# Altium PCB 键盘 - 副本 - 副本.PcbDoc (part 3 of 3)
Units mm, origin at the board's own origin, x right, y up, seen from the top; angles counter-clockwise.
Board outline 443.48 x 149.35 mm, 2 copper layers (Top Layer, Bottom Layer); 278 components, 285 nets, 1577 pads, 337 vias.
Unrouted connection lines stored in the file: 56.
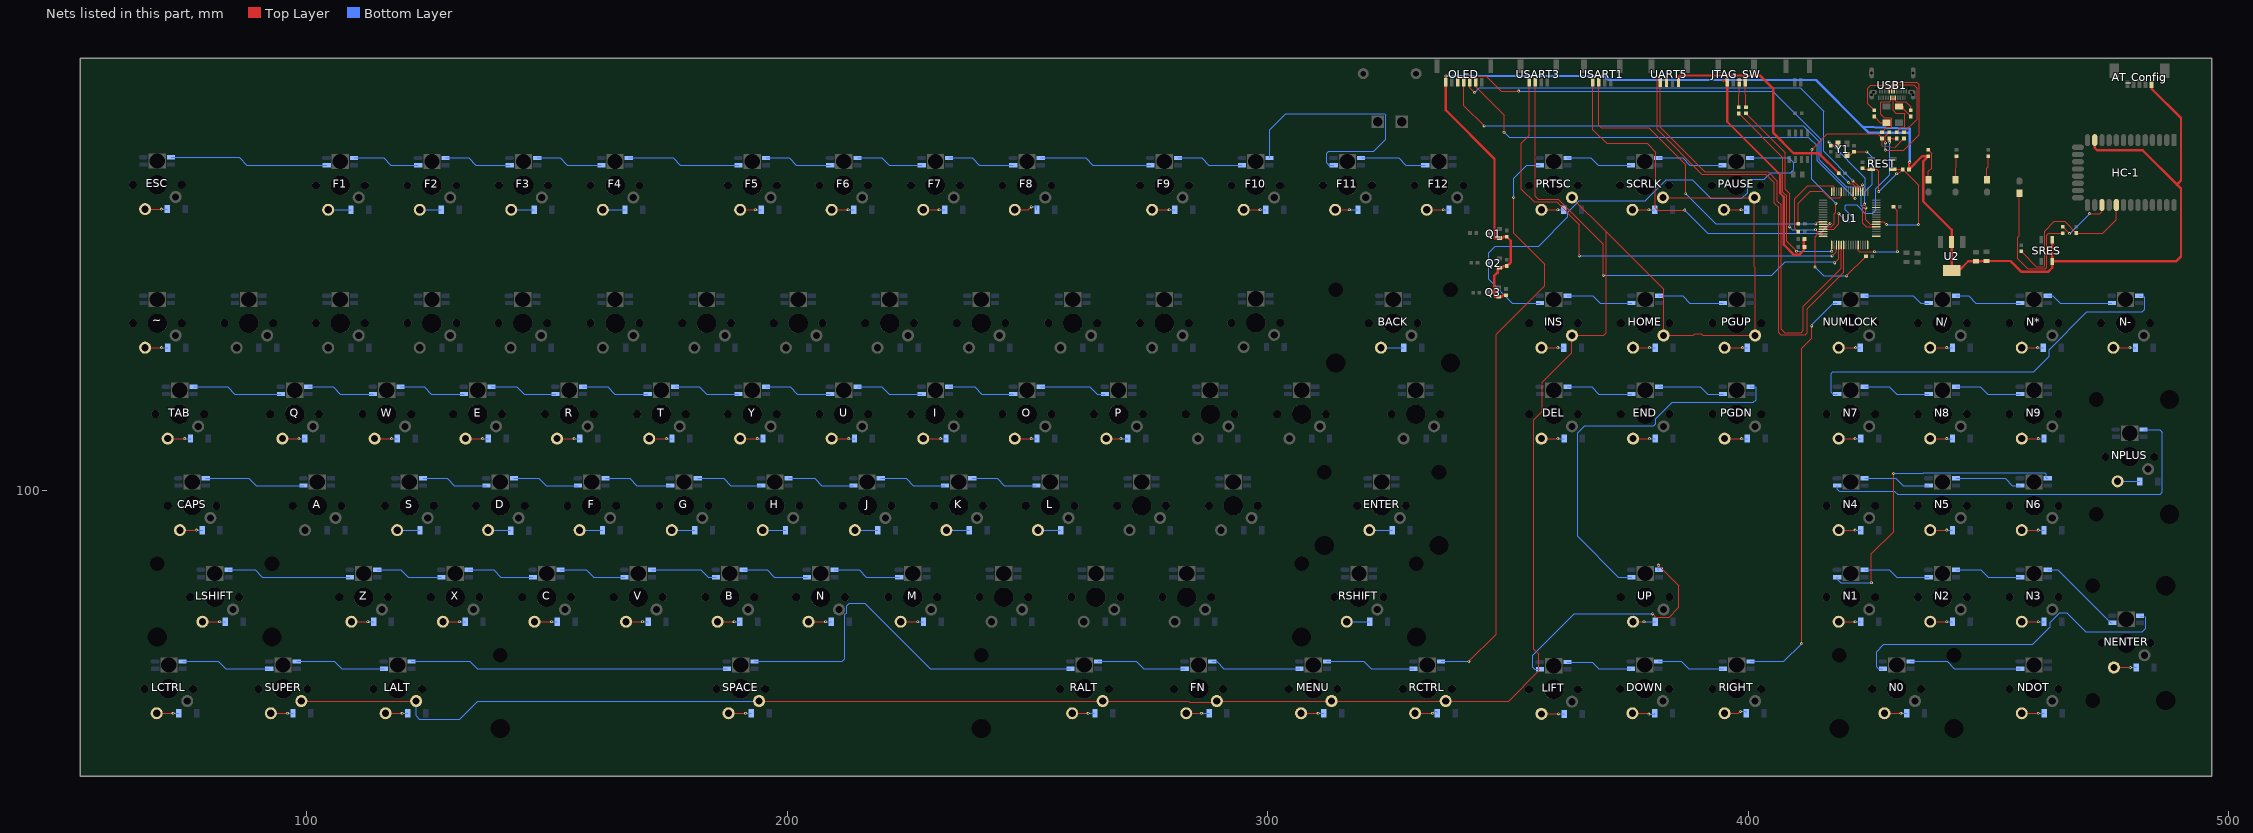
[diagram p3: the nets of this part, all layers, seen from the top]

## Via types
v1: diameter 0.61, hole 0.305, Top Layer to Bottom Layer, 337 vias

## Nets (pads, with @x,y where several pads share a name; then routed paths per layer and width w, separated by ;. In a path a pad name is that pad's centre, name@x,y a point inside that pad or via, vN(x,y) a via of type N, cw(c..) or ccw(c..) an arc to the next point about the centre after c; other vN are vias at no path point) (continued)
NetA_6: A.6 CAPS.4 | length 21
  Bottom Layer w0.254: CAPS.4@79.05,102.604 88.023,102.604 89.523,101.104 A.6@99.385,101.104
NetB_2: B.2 D63.1 | length 4.6
  Top Layer w0.254: B.2@185.547,72.771 v1(188.976,72.771)
  Bottom Layer w0.254: v1(188.976,72.771) D63.1@190.17,72.771
NetB_4: B.4 N.6 | length 13.8
  Bottom Layer w0.254: B.4@190.937,83.554 195.846,83.554 197.346,82.054 N.6@204.16,82.054
NetB_6: B.6 V.4 | length 14
  Bottom Layer w0.254: V.4@171.887,83.554 182.082,83.554 183.582,82.054 B.6@185.237,82.054
NetBACK_2: BACK.2 D30.1 | length 4.7
  Bottom Layer w0.254: BACK.2@323.596,129.794 D30.1@328.346,129.794
NetC2_1: C2.1 U1.47 | length 21.3
  Top Layer w0.254: v1(413.918,146.583) 413.918,152.858 414.528,153.468 U1.47@415.582,153.468 ; v1(420.442,144.755) C2.1@424.531,148.844
  Bottom Layer w0.254: v1(413.918,146.583) 415.747,144.755 v1(420.442,144.755)
NetC6_1: C6.1 U1.31 | length 17.5
  Top Layer w0.254: C6.1@410.449,153.924 409.727,154.645 409.727,160.833 412.394,163.5 417.576,163.5 417.882,163.194 U1.31@417.882,162.268
NetC_2: C.2 D61.1 | length 4.7
  Top Layer w0.254: C.2@147.447,72.771 v1(151.003,72.771)
  Bottom Layer w0.254: v1(151.003,72.771) D61.1@152.197,72.771
NetC_4: C.4 V.6 | length 14
  Bottom Layer w0.254: C.4@152.837,83.554 158.254,83.554 159.754,82.054 V.6@166.187,82.054
NetC_6: C.6 X.4 | length 14
  Bottom Layer w0.254: X.4@133.787,83.554 138.95,83.554 140.45,82.054 C.6@147.137,82.054
NetCAPS_2: CAPS.2 D45.1 | length 4.6
  Top Layer w0.254: CAPS.2@73.66,91.821 v1(77.089,91.821)
  Bottom Layer w0.254: v1(77.089,91.821) D45.1@78.283,91.821
NetD1_1: D1.1 R4.1 | length 6.8
  Top Layer w0.254: D1.1@437.515,164.719 437.515,166.472 438.226,167.183 438.226,170.246 R4.1@437.515,170.957
NetD2_1: D2.1 R5.1 | length 5
  Top Layer w0.254: D2.1@443.166,164.719 443.166,167.081 443.357,167.272 R5.1@443.357,169.657
NetD3_1: D3.1 R6.1 | length 5
  Top Layer w0.254: D3.1@449.707,164.719 449.707,167.183 449.961,167.437 R6.1@449.961,169.657
NetD4_1: D4.1 ESC.2 | length 4.6
  Top Layer w0.254: ESC.2@66.421,158.623 v1(69.85,158.623)
  Bottom Layer w0.254: v1(69.85,158.623) D4.1@71.044,158.623
NetD5_1: D5.1 F1.2 | length 4.7
  Bottom Layer w0.254: F1.2@104.521,158.496 D5.1@109.271,158.496
NetD6_1: D6.1 F2.2 | length 4.5
  Bottom Layer w0.254: F2.2@123.571,158.496 D6.1@128.067,158.496
NetD7_1: D7.1 F3.2 | length 4.7
  Bottom Layer w0.254: F3.2@142.621,158.496 D7.1@147.371,158.496
NetD8_1: D8.1 F4.2 | length 4.6
  Bottom Layer w0.254: F4.2@161.671,158.496 D8.1@166.294,158.496
NetD9_1: D9.1 F5.2 | length 4.4
  Top Layer w0.254: F5.2@190.246,158.496 v1(193.421,158.496)
  Bottom Layer w0.254: v1(193.421,158.496) D9.1@194.615,158.496
NetD10_1: D10.1 F6.2 | length 4.6
  Top Layer w0.254: F6.2@209.296,158.496 v1(212.725,158.496)
  Bottom Layer w0.254: v1(212.725,158.496) D10.1@213.919,158.496
NetD11_1: D11.1 F7.2 | length 4.5
  Top Layer w0.254: F7.2@228.346,158.496 v1(231.648,158.496)
  Bottom Layer w0.254: v1(231.648,158.496) D11.1@232.842,158.496
NetD12_1: D12.1 F8.2 | length 5.5
  Top Layer w0.254: F8.2@247.396,158.496 250.215,158.496 v1(250.825,159.106)
  Bottom Layer w0.254: v1(250.825,159.106) 252.019,159.106 D12.1@252.019,158.496
NetD13_1: D13.1 F9.2 | length 4.7
  Top Layer w0.254: F9.2@275.971,158.496 v1(279.527,158.496)
  Bottom Layer w0.254: v1(279.527,158.496) D13.1@280.721,158.496
NetD14_1: D14.1 F10.2 | length 4.6
  Top Layer w0.254: F10.2@295.021,158.496 v1(298.45,158.496)
  Bottom Layer w0.254: v1(298.45,158.496) D14.1@299.644,158.496
NetD15_1: D15.1 F11.2 | length 4.7
  Top Layer w0.254: F11.2@314.071,158.496 v1(317.017,158.496)
  Bottom Layer w0.254: v1(317.017,158.496) D15.1@318.821,158.496
NetD16_1: D16.1 F12.2 | length 4.6
  Top Layer w0.254: F12.2@333.121,158.496 v1(336.55,158.496)
  Bottom Layer w0.254: v1(336.55,158.496) D16.1@337.744,158.496
NetD17_1: D17.1 ~.2 | length 4.7
  Top Layer w0.254: ~.2@66.421,129.794 v1(69.85,129.794)
  Bottom Layer w0.254: v1(69.85,129.794) D17.1@71.171,129.794
NetD31_1: D31.1 TAB.2 | length 4.7
  Top Layer w0.254: TAB.2@71.12,110.871 v1(74.676,110.871)
  Bottom Layer w0.254: v1(74.676,110.871) D31.1@75.87,110.871
NetD32_1: D32.1 Q.2 | length 4.6
  Top Layer w0.254: Q.2@94.996,110.871 v1(98.425,110.871)
  Bottom Layer w0.254: v1(98.425,110.871) D32.1@99.619,110.871
NetD33_1: D33.1 W.2 | length 4.7
  Top Layer w0.254: W.2@114.173,110.871 v1(117.729,110.871)
  Bottom Layer w0.254: v1(117.729,110.871) D33.1@118.923,110.871
NetD34_1: D34.1 E.2 | length 4.7
  Top Layer w0.254: E.2@133.096,110.871 v1(136.652,110.871)
  Bottom Layer w0.254: v1(136.652,110.871) D34.1@137.846,110.871
NetD35_1: D35.1 R.2 | length 4.7
  Top Layer w0.254: R.2@152.146,110.871 v1(155.702,110.871)
  Bottom Layer w0.254: v1(155.702,110.871) D35.1@156.896,110.871
NetD36_1: D36.1 T.2 | length 4.7
  Top Layer w0.254: T.2@171.323,110.871 v1(174.879,110.871)
  Bottom Layer w0.254: v1(174.879,110.871) D36.1@176.073,110.871
NetD37_1: D37.1 Y.2 | length 4.7
  Top Layer w0.254: Y.2@190.246,110.871 v1(193.802,110.871)
  Bottom Layer w0.254: v1(193.802,110.871) D37.1@194.996,110.871
NetD38_1: D38.1 U.2 | length 4.7
  Top Layer w0.254: U.2@209.296,110.871 v1(212.852,110.871)
  Bottom Layer w0.254: v1(212.852,110.871) D38.1@214.046,110.871
NetD39_1: D39.1 I.2 | length 4.7
  Top Layer w0.254: I.2@228.346,110.871 v1(231.902,110.871)
  Bottom Layer w0.254: v1(231.902,110.871) D39.1@233.096,110.871
NetD40_1: D40.1 O.2 | length 4.6
  Top Layer w0.254: O.2@247.396,110.871 v1(250.825,110.871)
  Bottom Layer w0.254: v1(250.825,110.871) D40.1@252.019,110.871
NetD41_1: D41.1 P.2 | length 4.5
  Top Layer w0.254: P.2@266.446,110.871 v1(269.494,110.871)
  Bottom Layer w0.254: v1(269.494,110.871) D41.1@270.942,110.871
NetD47_1: D47.1 S.2 | length 4.7
  Bottom Layer w0.254: S.2@118.872,91.821 D47.1@123.622,91.821
NetD48_1: D48.1 D.2 | length 4.9
  Bottom Layer w0.254: D.2@137.795,91.821 142.545,91.821 D48.1@142.545,91.694
NetD49_1: D49.1 F.2 | length 4.7
  Bottom Layer w0.254: F.2@156.845,91.821 D49.1@161.595,91.821
NetD50_1: D50.1 G.2 | length 4.7
  Bottom Layer w0.254: G.2@176.022,91.821 D50.1@180.772,91.821
NetD51_1: D51.1 H.2 | length 4.7
  Bottom Layer w0.254: H.2@194.945,91.821 D51.1@199.695,91.821
NetD52_1: D52.1 J.2 | length 4.7
  Bottom Layer w0.254: J.2@214.122,91.821 D52.1@218.872,91.821
NetD53_1: D53.1 K.2 | length 4.7
  Bottom Layer w0.254: K.2@233.172,91.821 D53.1@237.922,91.821
NetD54_1: D54.1 L.2 | length 4.7
  Bottom Layer w0.254: L.2@252.222,91.821 D54.1@256.972,91.821
NetD57_1: D57.1 ENTER.2 | length 4.7
  Bottom Layer w0.254: ENTER.2@321.183,91.821 D57.1@325.933,91.821
NetD58_1: D58.1 LSHIFT.2 | length 4.7
  Top Layer w0.254: LSHIFT.2@78.359,72.771 v1(81.915,72.771)
  Bottom Layer w0.254: v1(81.915,72.771) D58.1@83.109,72.771
NetD59_1: D59.1 Z.2 | length 4.6
  Top Layer w0.254: Z.2@109.347,72.771 v1(112.776,72.771)
  Bottom Layer w0.254: v1(112.776,72.771) D59.1@113.97,72.771
NetD60_1: D60.1 X.2 | length 4.6
  Top Layer w0.254: X.2@128.397,72.771 v1(131.826,72.771)
  Bottom Layer w0.254: v1(131.826,72.771) D60.1@133.02,72.771
NetD62_1: D62.1 V.2 | length 4.6
  Top Layer w0.254: V.2@166.497,72.771 v1(169.926,72.771)
  Bottom Layer w0.254: v1(169.926,72.771) D62.1@171.12,72.771
NetD64_1: D64.1 N.2 | length 4.7
  Top Layer w0.254: N.2@204.47,72.771 v1(208.026,72.771)
  Bottom Layer w0.254: v1(208.026,72.771) D64.1@209.22,72.771
NetD65_1: D65.1 M.2 | length 4.7
  Top Layer w0.254: M.2@223.647,72.771 v1(227.203,72.771)
  Bottom Layer w0.254: v1(227.203,72.771) D65.1@228.397,72.771
NetD69_1: D69.1 RSHIFT.2 | length 4.7
  Bottom Layer w0.254: RSHIFT.2@316.484,72.771 D69.1@321.234,72.771
NetD70_1: D70.1 LCTRL.2 | length 4.6
  Top Layer w0.254: LCTRL.2@68.834,53.721 v1(72.263,53.721)
  Bottom Layer w0.254: v1(72.263,53.721) D70.1@73.457,53.721
NetD71_1: D71.1 SUPER.2 | length 4.6
  Top Layer w0.254: SUPER.2@92.583,53.721 v1(96.012,53.721)
  Bottom Layer w0.254: v1(96.012,53.721) D71.1@97.206,53.721
NetD72_1: D72.1 LALT.2 | length 4.6
  Top Layer w0.254: LALT.2@116.459,53.721 v1(119.888,53.721)
  Bottom Layer w0.254: v1(119.888,53.721) D72.1@121.082,53.721
NetD73_1: D73.1 SPACE.2 | length 4.7
  Top Layer w0.254: SPACE.2@187.833,53.721 v1(191.389,53.721)
  Bottom Layer w0.254: v1(191.389,53.721) D73.1@192.583,53.721
NetD74_1: D74.1 RALT.2 | length 4.7
  Top Layer w0.254: RALT.2@259.334,53.721 v1(262.636,53.721)
  Bottom Layer w0.254: v1(262.636,53.721) D74.1@264.084,53.721
NetD75_1: D75.1 FN.2 | length 4.7
  Top Layer w0.254: FN.2@283.083,53.721 v1(286.233,53.721)
  Bottom Layer w0.254: v1(286.233,53.721) D75.1@287.833,53.721
NetD76_1: D76.1 MENU.2 | length 4.7
  Top Layer w0.254: MENU.2@306.959,53.721 v1(310.515,53.721)
  Bottom Layer w0.254: v1(310.515,53.721) D76.1@311.709,53.721
NetD77_1: D77.1 RCTRL.2 | length 5.2
  Top Layer w0.254: RCTRL.2@330.708,53.721 v1(334.34,53.721)
  Bottom Layer w0.254: v1(334.34,53.721) 334.747,54.127 335.331,54.127 D77.1@335.331,53.721
NetD78_1: D78.1 PRTSC.2 | length 4.6
  Top Layer w0.254: PRTSC.2@356.997,158.496 v1(360.426,158.496)
  Bottom Layer w0.254: v1(360.426,158.496) D78.1@361.62,158.496
NetD79_1: D79.1 SCRLK.2 | length 4.6
  Top Layer w0.254: SCRLK.2@375.92,158.496 v1(379.349,158.496)
  Bottom Layer w0.254: v1(379.349,158.496) D79.1@380.543,158.496
NetD80_1: D80.1 PAUSE.2 | length 4.7
  Top Layer w0.254: PAUSE.2@394.97,158.496 v1(398.526,158.496)
  Bottom Layer w0.254: v1(398.526,158.496) D80.1@399.72,158.496
NetD81_1: D81.1 INS.2 | length 4.6
  Top Layer w0.254: INS.2@356.997,129.794 v1(360.426,129.794)
  Bottom Layer w0.254: v1(360.426,129.794) D81.1@361.62,129.794
NetD82_1: D82.1 HOME.2 | length 4.6
  Top Layer w0.254: HOME.2@376.047,129.794 v1(379.476,129.794)
  Bottom Layer w0.254: v1(379.476,129.794) D82.1@380.67,129.794
NetD83_1: D83.1 PGUP.2 | length 4.7
  Top Layer w0.254: PGUP.2@395.097,129.794 v1(398.856,129.794)
  Bottom Layer w0.254: v1(398.856,129.794) D83.1@399.847,129.794
NetD84_1: D84.1 DEL.2 | length 4.7
  Top Layer w0.254: DEL.2@356.997,110.871 v1(360.426,110.871)
  Bottom Layer w0.254: v1(360.426,110.871) D84.1@361.747,110.871
NetD85_1: D85.1 END.2 | length 4.6
  Top Layer w0.254: END.2@376.047,110.871 v1(379.476,110.871)
  Bottom Layer w0.254: v1(379.476,110.871) D85.1@380.67,110.871
NetD86_1: D86.1 PGDN.2 | length 4.7
  Top Layer w0.254: PGDN.2@395.097,110.871 v1(398.653,110.871)
  Bottom Layer w0.254: v1(398.653,110.871) D86.1@399.847,110.871
NetD87_1: D87.1 UP.2 | length 4.6
  Top Layer w0.254: UP.2@376.047,72.771 v1(378.333,72.771)
  Bottom Layer w0.254: v1(378.333,72.771) D87.1@380.67,72.771
NetD88_1: D88.1 LIFT.2 | length 4.7
  Top Layer w0.254: LIFT.2@356.997,53.594 v1(360.553,53.594)
  Bottom Layer w0.254: v1(360.553,53.594) D88.1@361.747,53.594
NetD89_1: D89.1 DOWN.2 | length 4.9
  Top Layer w0.254: DOWN.2@375.92,53.721 379.177,53.721 v1(379.349,53.549)
  Bottom Layer w0.254: v1(379.349,53.549) 380.543,53.549 D89.1@380.543,53.721
NetD90_1: D90.1 RIGHT.2 | length 5.1
  Top Layer w0.254: RIGHT.2@395.097,53.721 397.993,53.721 v1(398.399,54.127)
  Bottom Layer w0.254: v1(398.399,54.127) 399.593,54.127 D90.1@399.593,53.721
NetD91_1: D91.1 NUMLOCK.2 | length 4.5
  Top Layer w0.254: NUMLOCK.2@418.846,129.794 v1(422.351,129.794)
  Bottom Layer w0.254: v1(422.351,129.794) D91.1@423.342,129.794
NetD92_1: D92.1 N/.2 | length 4.6
  Top Layer w0.254: N/.2@437.896,129.794 v1(441.325,129.794)
  Bottom Layer w0.254: v1(441.325,129.794) D92.1@442.519,129.794
NetD93_1: D93.1 N*.2 | length 4.5
  Top Layer w0.254: N*.2@456.946,129.794 v1(460.248,129.794)
  Bottom Layer w0.254: v1(460.248,129.794) D93.1@461.442,129.794
NetD94_1: D94.1 N-.2 | length 4.6
  Top Layer w0.254: N-.2@475.996,129.794 v1(479.425,129.794)
  Bottom Layer w0.254: v1(479.425,129.794) D94.1@480.619,129.794
NetD95_1: D95.1 N7.2 | length 4.6
  Top Layer w0.254: N7.2@418.846,110.871 v1(422.275,110.871)
  Bottom Layer w0.254: v1(422.275,110.871) D95.1@423.469,110.871
NetD96_1: D96.1 N8.2 | length 4.6
  Top Layer w0.254: N8.2@437.896,110.871 v1(441.325,110.871)
  Bottom Layer w0.254: v1(441.325,110.871) D96.1@442.519,110.871
NetD97_1: D97.1 N9.2 | length 4.6
  Top Layer w0.254: N9.2@456.946,110.871 v1(460.375,110.871)
  Bottom Layer w0.254: v1(460.375,110.871) D97.1@461.569,110.871
NetD98_1: D98.1 N0.2 | length 4.6
  Top Layer w0.254: N0.2@428.371,53.721 v1(431.8,53.721)
  Bottom Layer w0.254: v1(431.8,53.721) D98.1@432.994,53.721
NetD99_1: D99.1 NPLUS.2 | length 4.6
  Bottom Layer w0.254: NPLUS.2@476.885,101.981 D99.1@481.508,101.981
NetD100_1: D100.1 N4.2 | length 4.6
  Top Layer w0.254: N4.2@418.846,91.821 v1(422.275,91.821)
  Bottom Layer w0.254: v1(422.275,91.821) D100.1@423.469,91.821
NetD101_1: D101.1 N5.2 | length 4.6
  Top Layer w0.254: N5.2@437.896,91.821 v1(441.325,91.821)
  Bottom Layer w0.254: v1(441.325,91.821) D101.1@442.519,91.821
NetD102_1: D102.1 N6.2 | length 4.6
  Top Layer w0.254: N6.2@456.946,91.821 v1(460.375,91.821)
  Bottom Layer w0.254: v1(460.375,91.821) D102.1@461.569,91.821
NetD103_1: D103.1 N1.2 | length 4.6
  Top Layer w0.254: N1.2@418.846,72.771 v1(422.275,72.771)
  Bottom Layer w0.254: v1(422.275,72.771) D103.1@423.469,72.771
NetD104_1: D104.1 N2.2 | length 4.6
  Top Layer w0.254: N2.2@437.896,72.771 v1(441.325,72.771)
  Bottom Layer w0.254: v1(441.325,72.771) D104.1@442.519,72.771
NetD105_1: D105.1 N3.2 | length 4.6
  Top Layer w0.254: N3.2@456.946,72.771 v1(460.375,72.771)
  Bottom Layer w0.254: v1(460.375,72.771) D105.1@461.569,72.771
NetD106_1: D106.1 NENTER.2 | length 4.6
  Top Layer w0.254: NENTER.2@476.123,63.246 v1(479.552,63.246)
  Bottom Layer w0.254: v1(479.552,63.246) D106.1@480.746,63.246
NetD107_1: D107.1 NDOT.2 | length 4.7
  Top Layer w0.254: NDOT.2@456.946,53.721 v1(460.375,53.721)
  Bottom Layer w0.254: v1(460.375,53.721) D107.1@461.645,53.721
NetD_4: D.4 F.6 | length 14
  Bottom Layer w0.254: D.4@143.185,102.604 148.348,102.604 149.848,101.104 F.6@156.535,101.104
NetD_6: D.6 S.4 | length 13.8
  Bottom Layer w0.254: S.4@124.262,102.604 129.298,102.604 130.798,101.104 D.6@137.485,101.104
NetDEL_4: DEL.4 END.6 | length 14
  Bottom Layer w0.254: DEL.4@362.387,121.654 367.423,121.654 368.923,120.154 END.6@375.737,120.154
NetDOWN_4: DOWN.4 RIGHT.6 | length 14.1
  Bottom Layer w0.254: DOWN.4@381.31,64.504 386.092,64.504 387.592,63.004 RIGHT.6@394.787,63.004
NetDOWN_6: DOWN.6 LIFT.4 | length 13.8
  Bottom Layer w0.254: LIFT.4@362.387,64.377 367.55,64.377 368.923,63.004 DOWN.6@375.61,63.004
NetDR_1: DR.1 R16.2 | length 31
  Top Layer w0.254: DR.1@456.438,161.925 456.438,153.06 456.108,152.73 456.108,148.332 458.234,146.206 461.874,146.206 462.159,146.491 462.159,153.213 462.586,153.64 R16.2@465.455,153.64
NetE_4: E.4 R.6 | length 14
  Bottom Layer w0.254: E.4@138.486,121.654 143.776,121.654 145.276,120.154 R.6@151.836,120.154
NetE_6: E.6 W.4 | length 13.8
  Bottom Layer w0.254: W.4@119.563,121.654 124.472,121.654 125.972,120.154 E.6@132.786,120.154
NetEND_4: END.4 PGDN.6 | length 14
  Bottom Layer w0.254: END.4@381.437,121.654 390.066,121.654 391.566,120.154 PGDN.6@394.787,120.154
NetESC_4: ESC.4 F1.6 | length 33.1
  Bottom Layer w0.254: ESC.4@71.811,169.406 85.991,169.406 87.618,167.779 F1.6@104.211,167.779
NetF1_4: F1.4 F2.6 | length 14
  Bottom Layer w0.254: F1.4@109.911,169.279 116.09,169.279 117.59,167.779 F2.6@123.261,167.779
NetF2_4: F2.4 F3.6 | length 14
  Bottom Layer w0.254: F2.4@128.961,169.279 133.743,169.279 135.243,167.779 F3.6@142.311,167.779
NetF3_4: F3.4 F4.6 | length 14
  Bottom Layer w0.254: F3.4@148.011,169.279 152.793,169.279 154.293,167.779 F4.6@161.361,167.779
NetF4_4: F4.4 F5.6 | length 23.5
  Bottom Layer w0.254: F4.4@167.061,169.279 176.288,169.279 177.788,167.779 F5.6@189.936,167.779
NetF5_4: F5.4 F6.6 | length 14
  Bottom Layer w0.254: F5.4@195.636,169.279 200.418,169.279 201.918,167.779 F6.6@208.986,167.779
NetF6_4: F6.4 F7.6 | length 14
  Bottom Layer w0.254: F6.4@214.686,169.279 219.722,169.279 221.222,167.779 F7.6@228.036,167.779
NetF7_4: F7.4 F8.6 | length 14
  Bottom Layer w0.254: F7.4@233.736,169.279 238.518,169.279 240.018,167.779 F8.6@247.086,167.779
NetF8_4: F8.4 F9.6 | length 23.5
  Bottom Layer w0.254: F8.4@252.786,169.279 262.14,169.279 263.64,167.779 F9.6@275.661,167.779
NetF9_4: F9.4 F10.6 | length 14
  Bottom Layer w0.254: F9.4@281.361,169.279 286.27,169.279 287.77,167.779 F10.6@294.711,167.779
NetF10_4: F10.4 F11.6 | length 53.8
  Bottom Layer w0.254: F10.4@300.411,169.279 300.406,169.279 300.406,175.158 303.733,178.486 324.307,178.486 324.561,178.232 324.561,173.126 322.123,170.688 312.699,170.688 312.293,170.282 312.293,168.25 312.764,167.779 F11.6@313.761,167.779
NetF11_4: F11.4 F12.6 | length 14
  Bottom Layer w0.254: F11.4@319.461,169.279 327.278,169.279 328.778,167.779 F12.6@332.811,167.779
NetF_4: F.4 G.6 | length 14.1
  Bottom Layer w0.254: F.4@162.235,102.604 167.271,102.604 168.771,101.104 G.6@175.712,101.104
NetFN_1: FN.1 HOME.1 INS.1 LALT.1 MENU.1 PAUSE.1 PGUP.1 PRTSC.1 RALT.1 RCTRL.1 SCRLK.1 SPACE.1 SUPER.1 | length 470.9
  Top Layer w0.254: SUPER.1@98.933,56.261 LALT.1@122.809,56.261 ; SPACE.1@194.183,56.261 RALT.1@265.684,56.261 283.565,56.261 283.838,55.988 289.16,55.988 FN.1@289.433,56.261 MENU.1@313.309,56.261 RCTRL.1@337.058,56.261 350.19,56.261 356.461,62.532 356.461,65.964 355.397,67.028 355.397,114.783 357.175,116.561 357.175,122.606 363.347,128.778 INS.1@363.347,132.334 369.951,132.334 370.51,132.893 370.51,153.873 ; PRTSC.1@363.347,161.036 370.51,153.873 ; SCRLK.1@382.27,161.036 PAUSE.1@401.32,161.036 401.32,146.685 401.447,146.558 PGUP.1@401.447,132.334 390.599,132.334 390.222,132.711 389.001,132.711 388.624,132.334 HOME.1@382.397,132.334 382.397,141.986 370.51,153.873
  Bottom Layer w0.254: LALT.1@122.809,56.261 122.809,53.238 123.52,52.527 131.902,52.527 135.636,56.261 SPACE.1@194.183,56.261
NetFN_4: FN.4 MENU.6 | length 18.8
  Bottom Layer w0.254: FN.4@288.473,64.504 289.408,64.504 290.908,63.004 MENU.6@306.649,63.004
NetFN_6: FN.6 RALT.4 | length 18.7
  Bottom Layer w0.254: RALT.4@264.724,64.504 272.706,64.504 274.206,63.004 FN.6@282.773,63.004
NetFUSB2_1: FUSB2.1 R22.2 | length 3.7
  Top Layer w0.254: FUSB2.1@431.419,180.022 432.359,180.022 432.359,179.385 R22.2@433.832,177.912
NetFUSB_2: FUSB.2 R21.1 | length 3.1
  Top Layer w0.254: R21.1@426.212,177.912 427.531,176.594 FUSB.2@428.752,176.594
NetG_4: G.4 H.6 | length 13.8
  Bottom Layer w0.254: G.4@181.412,102.604 186.829,102.604 188.329,101.104 H.6@194.635,101.104
NetH_4: H.4 J.6 | length 14.1
  Bottom Layer w0.254: H.4@200.335,102.604 205.752,102.604 207.252,101.104 J.6@213.812,101.104
NetHC-1_24: HC-1.24 R16.1 | length 12.1
  Top Layer w0.254: R16.1@465.455,154.94 v1(466.877,153.518) ; v1(471.043,157.683) 473.216,157.683 473.622,158.09 HC-1.24@473.622,159.493
  Bottom Layer w0.254: v1(466.877,153.518) v1(471.043,157.683)
NetHC-1_26: HC-1.26 R14.1 R15.1 | length 34.4
  Top Layer w0.254: R15.1@456.819,149.845 460.004,146.66 461.569,146.66 461.705,146.796 461.705,154.026 463.737,156.058 465.846,156.058 R14.1@468.249,153.655 473.813,153.655 476.622,156.464 HC-1.26@476.622,159.493
NetHOME_4: HOME.4 PGUP.6 | length 14
  Bottom Layer w0.254: HOME.4@381.437,140.577 386.346,140.577 387.846,139.077 PGUP.6@394.787,139.077
NetHOME_6: HOME.6 INS.4 | length 14
  Bottom Layer w0.254: INS.4@362.387,140.577 367.677,140.577 369.177,139.077 HOME.6@375.737,139.077
NetI_4: I.4 O.6 | length 14
  Bottom Layer w0.254: I.4@233.736,121.654 239.026,121.654 240.526,120.154 O.6@247.086,120.154
NetI_6: I.6 U.4 | length 14
  Bottom Layer w0.254: U.4@214.686,121.654 219.722,121.654 221.222,120.154 I.6@228.036,120.154
NetINS_6: INS.6 PAUSE.4 | length 104.9
  Bottom Layer w0.254: INS.6@356.687,139.077 350.94,139.077 346.027,143.99 346.027,149.53 347.421,150.924 356.384,150.924 362.509,157.048 362.509,157.968 364.866,160.325 378.545,160.325 382.99,164.77 388.341,164.77 392.252,160.858 398.653,160.858 399.872,162.077 399.872,164.465 400.304,164.897 403.352,164.897 404.698,166.243 408.838,166.243 409.448,166.853 409.448,168.25 408.419,169.279 PAUSE.4@400.36,169.279
NetJ_4: J.4 K.6 | length 14
  Bottom Layer w0.254: J.4@219.512,102.604 224.802,102.604 226.302,101.104 K.6@232.862,101.104
NetJTAG_SW_1: JTAG_SW.1 R7.1 | length 5.3
  Top Layer w0.254: JTAG_SW.1@399.395,185.039 399.395,182.494 399.542,182.347 R7.1@399.542,179.847
NetJTAG_SW_2: JTAG_SW.2 R10.1 | length 5.3
  Top Layer w0.254: R10.1@398.018,179.832 398.018,182.321 398.145,182.448 JTAG_SW.2@398.145,185.039
NetK_4: K.4 L.6 | length 14
  Bottom Layer w0.254: K.4@238.562,102.604 243.725,102.604 245.225,101.104 L.6@251.912,101.104
NetLALT_4: LALT.4 SPACE.6 | length 66.3
  Bottom Layer w0.254: LALT.4@121.849,64.504 133.997,64.504 135.497,63.004 SPACE.6@187.523,63.004
NetLALT_6: LALT.6 SUPER.4 | length 18.8
  Bottom Layer w0.254: SUPER.4@97.973,64.504 105.803,64.504 107.303,63.004 LALT.6@116.149,63.004
NetLCTRL_4: LCTRL.4 SUPER.6 | length 18.7
  Bottom Layer w0.254: LCTRL.4@74.224,64.504 81.673,64.504 83.173,63.004 SUPER.6@92.273,63.004
NetLIFT_6: LIFT.6 UP.4 | length 50.9
  Top Layer w0.254: v1(380.136,74.397) 380.822,73.711 383.565,73.711 385.597,75.743 385.597,80.264 v1(381.33,84.531)
  Bottom Layer w0.254: LIFT.6@356.687,62.877 355.6,62.877 355.194,63.283 355.194,65.761 363.83,74.397 v1(380.136,74.397) ; v1(381.33,84.531) 381.33,83.554 UP.4@381.437,83.554
NetLSHIFT_4: LSHIFT.4 Z.6 | length 25.9
  Bottom Layer w0.254: LSHIFT.4@83.749,83.554 89.293,83.554 90.793,82.054 Z.6@109.037,82.054
NetM_6: M.6 N.4 | length 14.1
  Bottom Layer w0.254: N.4@209.86,83.554 215.023,83.554 216.523,82.054 M.6@223.337,82.054
NetMENU_4: MENU.4 RCTRL.6 | length 18.7
  Bottom Layer w0.254: MENU.4@312.349,64.504 320.052,64.504 321.552,63.004 RCTRL.6@330.398,63.004
NetN0_4: N0.4 NDOT.6 | length 23.5
  Bottom Layer w0.254: N0.4@433.761,64.504 441.437,64.504 442.937,63.004 NDOT.6@456.636,63.004
NetN0_6: N0.6 NENTER.4 | length 70
  Bottom Layer w0.254: N0.6@428.061,63.004 427.126,63.004 426.745,63.385 426.745,66.548 428.269,68.072 459.257,68.072 462.89,71.704 462.89,72.674 464.891,74.676 466.319,74.676 470.306,70.688 481.968,70.688 482.702,71.422 482.702,73.762 NENTER.4@481.513,74.029
NetN1_4: N1.4 N2.6 | length 14
  Bottom Layer w0.254: N1.4@424.236,83.554 429.399,83.554 430.899,82.054 N2.6@437.586,82.054
NetN1_6: N1.6 N6.4 | length 65.7
  Top Layer w0.254: v1(425.628,80.874) 425.628,86.893 430.276,91.542 v1(430.276,103.632)
  Bottom Layer w0.254: N1.6@418.536,82.054 418.536,81.59 419.252,80.874 v1(425.628,80.874) ; v1(430.276,103.632) 436.426,103.632 436.575,103.781 461.775,103.781 462.051,103.505 462.051,102.604 N6.4@462.336,102.604
NetN2_4: N2.4 N3.6 | length 14
  Bottom Layer w0.254: N2.4@443.286,83.554 448.449,83.554 449.949,82.054 N3.6@456.636,82.054
NetN3_4: N3.4 NENTER.6 | length 18
  Bottom Layer w0.254: N3.4@462.336,83.554 464.388,83.554 475.413,72.529 NENTER.6@475.813,72.529
NetN4_4: N4.4 N5.6 | length 14
  Bottom Layer w0.254: N4.4@424.236,102.604 430.771,102.604 432.271,101.104 N5.6@437.586,101.104
NetN4_6: N4.6 NPLUS.4 | length 85.7
  Bottom Layer w0.254: N4.6@418.536,101.104 418.516,101.104 418.516,100.381 418.973,99.924 430.428,99.924 431.092,99.26 485.734,99.26 486.188,99.714 486.188,112.224 485.648,112.764 NPLUS.4@482.275,112.764
NetN5_4: N5.4 N6.6 | length 14
  Bottom Layer w0.254: N5.4@443.286,102.604 453.481,102.604 454.981,101.104 N6.6@456.636,101.104
NetN7_4: N7.4 N8.6 | length 14
  Bottom Layer w0.254: N7.4@424.236,121.654 429.399,121.654 430.899,120.154 N8.6@437.586,120.154
NetN7_6: N7.6 N-.4 | length 80.8
  Bottom Layer w0.254: N7.6@418.536,120.154 417.576,120.154 417.246,120.484 417.246,124.358 417.652,124.765 459.435,124.765 462.686,128.016 462.686,129.413 470.51,137.236 482.041,137.236 482.575,137.77 482.575,140.411 N-.4@481.386,140.577
NetN8_4: N8.4 N9.6 | length 14
  Bottom Layer w0.254: N8.4@443.286,121.654 448.322,121.654 449.822,120.154 N9.6@456.636,120.154
NetN*_4: N*.4 N-.6 | length 14
  Bottom Layer w0.254: N*.4@462.336,140.577 463.435,140.577 464.935,139.077 N-.6@475.686,139.077
NetN*_6: N*.6 N/.4 | length 14
  Bottom Layer w0.254: N/.4@443.286,140.577 445.909,140.577 447.409,139.077 N*.6@456.636,139.077
NetN/_6: N/.6 NUMLOCK.4 | length 14
  Bottom Layer w0.254: NUMLOCK.4@424.236,140.577 434.389,140.577 435.889,139.077 N/.6@437.586,139.077
NetNUMLOCK_6: NUMLOCK.6 RIGHT.4 | length 86.6
  Top Layer w0.254: v1(411.124,68.212) 411.124,129.642 413.232,131.75 v1(413.232,134.315)
  Bottom Layer w0.254: RIGHT.4@400.487,64.504 407.416,64.504 v1(411.124,68.212) ; v1(413.232,134.315) 413.232,134.594 417.715,139.077 NUMLOCK.6@418.536,139.077
NetO_4: O.4 P.6 | length 14
  Bottom Layer w0.254: O.4@252.786,121.654 263.005,121.654 264.505,120.154 P.6@266.136,120.154
NetPAUSE_6: PAUSE.6 SCRLK.4 | length 14
  Bottom Layer w0.254: SCRLK.4@381.31,169.279 386.346,169.279 387.846,167.779 PAUSE.6@394.66,167.779
NetPGDN_4: PGDN.4 UP.6 | length 80.6
  Bottom Layer w0.254: UP.6@375.737,82.054 373.024,82.054 364.566,90.512 364.566,112.065 366.039,113.538 380.39,113.538 380.822,113.97 380.822,114.986 384.226,118.389 401.117,118.389 401.732,119.005 401.732,121.445 401.523,121.654 PGDN.4@400.487,121.654
NetPRTSC_4: PRTSC.4 SCRLK.6 | length 13.8
  Bottom Layer w0.254: PRTSC.4@362.387,169.279 367.296,169.279 368.796,167.779 SCRLK.6@375.61,167.779
NetPRTSC_6: PRTSC.6 RCTRL.4 | length 122.2
  Top Layer w0.254: v1(341.909,64.504) 347.599,70.194 347.599,132.613 357.683,142.697 357.683,147.117 351.18,153.619 v1(351.18,161.061)
  Bottom Layer w0.254: RCTRL.4@336.098,64.504 v1(341.909,64.504) ; v1(351.18,161.061) 351.18,165.049 353.91,167.779 PRTSC.6@356.687,167.779
NetQ_4: Q.4 W.6 | length 14.1
  Bottom Layer w0.254: Q.4@100.386,121.654 105.549,121.654 107.049,120.154 W.6@113.863,120.154
NetQ_6: Q.6 TAB.4 | length 18.8
  Bottom Layer w0.254: TAB.4@76.51,121.654 83.578,121.654 85.078,120.154 Q.6@94.686,120.154
NetR1_1: R1.1 U1.60 | length 19.2
  Top Layer w0.254: U1.60@422.882,151.168 422.882,149.962 423.085,149.758 v1(426.314,149.758) ; R1.1@430.261,159.131 431.051,158.341 v1(431.051,149.758)
  Bottom Layer w0.254: v1(426.314,149.758) v1(431.051,149.758)
NetR3_1: R3.1 U1.28 | length 15.9
  Top Layer w0.254: R3.1@410.449,155.575 410.449,159.903 412.902,162.357 415.569,162.357 416.89,161.036 419.077,161.036 419.382,161.341 U1.28@419.382,162.268
NetR21_2: R21.2 USB1.B5 | length 10.9
  Top Layer w0.254: R21.2@426.212,179.212 424.866,180.558 424.866,183.794 425.501,184.429 428.752,184.429 429.397,183.784 USB1.B5@429.397,183.116
NetR22_1: R22.1 USB1.A5 | length 5.1
  Top Layer w0.254: USB1.A5@430.647,181.816 430.647,181.137 430.784,181 432.816,181 433.832,179.985 R22.1@433.832,179.212
NetR_4: R.4 T.6 | length 14.1
  Bottom Layer w0.254: R.4@157.536,121.654 162.699,121.654 164.199,120.154 T.6@171.013,120.154
NetRALT_6: RALT.6 SPACE.4 | length 82.7
  Bottom Layer w0.254: SPACE.4@193.223,64.504 211.519,64.504 212.039,65.024 212.039,74.3 212.397,74.658 212.397,76.075 212.954,76.632 216.205,76.632 229.833,63.004 RALT.6@259.024,63.004
NetT_4: T.4 Y.6 | length 13.8
  Bottom Layer w0.254: T.4@176.713,121.654 181.749,121.654 183.249,120.154 Y.6@189.936,120.154
NetU_6: U.6 Y.4 | length 14
  Bottom Layer w0.254: Y.4@195.636,121.654 200.672,121.654 202.172,120.154 U.6@208.986,120.154
NetX_6: X.6 Z.4 | length 14
  Bottom Layer w0.254: Z.4@114.737,83.554 119.646,83.554 121.146,82.054 X.6@128.087,82.054
NRST: C8.1 R2.2 REST.1 U1.7 | length 38.6
  Top Layer w0.254: C8.1@423.799,167.117 424.02,166.896 REST.1@425.613,166.896 426.72,166.896 427.177,166.439 v1(427.177,162.281) ; U1.7@426.682,155.968 428.232,155.968 v1(428.777,155.423) ; REST.1@430.113,166.896 431.234,166.896 431.251,166.878 R2.2@432.166,166.878 ; v1(430.886,165.989) 431.277,165.989 R2.2@432.166,166.878 ; v1(435.458,155.423) 435.458,163.587 R2.2@432.166,166.878
  Bottom Layer w0.254: v1(427.177,162.281) v1(430.886,165.989) ; v1(428.777,155.423) v1(435.458,155.423)
OLED_CLK(PA5): OLED.3 U1.21 | length 97.3
  Top Layer w0.254: OLED.3@342.098,185.039 342.098,183.834 v1(343.078,182.855) ; v1(421.813,164.516) 422.882,163.447 U1.21@422.882,162.268
  Bottom Layer w0.254: v1(343.078,182.855) 344.068,183.845 410.82,183.845 415.706,178.959 415.706,170.623 v1(421.813,164.516)
OLED_DC(PA4): OLED.4 U1.20 | length 98.7
  Top Layer w0.254: OLED.4@340.848,185.039 340.848,180.157 v1(345.059,175.946) ; U1.20@423.382,162.268 423.382,163.286 v1(423.774,163.678)
  Bottom Layer w0.254: v1(345.059,175.946) 411.479,175.946 414.798,172.627 414.798,168.931 420.429,163.3 423.396,163.3 v1(423.774,163.678)
OLED_MOSI(PA7): OLED.2 U1.23 | length 95
  Top Layer w0.254: OLED.2@343.348,185.039 343.348,184.058 349.199,178.206 v1(349.199,174.625) ; U1.23@421.882,162.268 421.882,161.2 v1(422.275,160.807)
  Bottom Layer w0.254: v1(349.199,174.625) 350.241,173.584 412.533,173.584 414.344,171.773 414.344,168.738 v1(422.275,160.807)
OLED_RST(PA6): OLED.5 U1.22 | length 96.4
  Top Layer w0.254: OLED.5@339.598,185.039 339.598,186.131 339.75,186.284 345.523,186.284 348.622,183.185 v1(352.273,183.185) ; v1(420.929,164.135) 421.18,163.884 421.789,163.884 422.382,163.291 U1.22@422.382,162.268
  Bottom Layer w0.254: v1(352.273,183.185) 405.153,183.185 415.252,173.086 415.252,169.812 v1(420.929,164.135)
PH0_OSC_IN: C4.2 U1.5 Y1.3 | length 23.6
  Top Layer w0.254: Y1.3@420.569,169.912 421.387,169.912 C4.2@422.021,170.546 v1(424.705,170.546) ; v1(424.272,159.687) 423.878,159.293 423.878,155.651 424.561,154.968 U1.5@426.682,154.968
  Bottom Layer w0.254: v1(424.272,159.687) 424.272,162.223 425.803,163.754 425.803,169.448 v1(424.705,170.546)
PH1_OSC_OUT: C3.1 U1.6 Y1.1 | length 25.8
  Top Layer w0.254: v1(416.839,172.629) 416.647,172.436 C3.1@417.195,171.846 417.754,171.846 418.12,172.212 Y1.1@418.719,172.212 ; v1(424.51,158.899) 424.51,156.413 425.455,155.468 U1.6@426.682,155.468
  Bottom Layer w0.254: v1(416.839,172.629) 424.406,165.063 424.406,163.373 423.529,162.496 423.529,159.309 423.939,158.899 v1(424.51,158.899)
SWCLK(PA14): R10.2 U1.49 | length 42.3
  Top Layer w0.254: R10.2@398.018,178.532 407.254,169.296 407.254,162.189 408.003,161.439 408.003,151.94 v1(410.083,149.86) ; v1(417.382,149.86) U1.49@417.382,151.168
  Bottom Layer w0.254: v1(410.083,149.86) v1(417.382,149.86)
SWDIO(PA13): R7.2 U1.46 | length 34.7
  Top Layer w0.254: R7.2@399.542,178.547 407.708,170.381 407.708,162.772 408.635,161.844 v1(408.635,154.915) ; v1(414.02,154.33) 414.382,153.968 U1.46@415.582,153.968
  Bottom Layer w0.254: v1(408.635,154.915) 409.219,154.33 v1(414.02,154.33)
UART5_RX: U1.54 UART5.3 | length 102.4
  Top Layer w0.254: UART5.3@383,184.991 383,185.935 382.626,186.309 381.203,186.309 381.051,186.157 381.051,175.235 390.35,165.935 403.635,165.935 405.435,164.135 405.435,159.89 406.349,158.976 406.349,132.893 406.784,132.458 411.883,132.458 412.293,132.867 412.293,137.902 419.882,145.491 U1.54@419.882,151.168
UART5_TX: U1.53 UART5.4 | length 95.6
  Top Layer w0.254: UART5.4@381.75,184.991 381.75,175.616 390.977,166.389 404.146,166.389 406.1,164.435 406.1,160.314 406.849,159.564 406.849,133.682 407.619,132.912 411.042,132.912 411.522,133.392 411.522,138.421 419.382,146.281 U1.53@419.382,151.168
USART1_RX: U1.42 USART1.3 | length 67.8
  Top Layer w0.254: USART1.3@368.935,185.039 368.935,176.073 369.418,175.59 379.273,175.59 387.02,167.843 v1(387.02,161.823) ; v1(414.117,155.557) 414.528,155.968 U1.42@415.582,155.968
  Bottom Layer w0.254: v1(387.02,161.823) 393.286,155.557 v1(414.117,155.557)
USART1_TX: U1.43 USART1.4 | length 77.6
  Top Layer w0.254: USART1.4@367.685,185.039 367.685,175.138 370.535,172.288 378.993,172.288 380.822,170.459 380.822,162.636 380.67,162.484 380.67,158.902 381.127,158.445 v1(386.817,158.445) ; U1.43@415.582,155.468 416.859,155.468 v1(417.068,155.677)
  Bottom Layer w0.254: v1(386.817,158.445) 391.629,153.632 415.024,153.632 v1(417.068,155.677)
USART3_RX: U1.52 USART3.3 | length 102
  Top Layer w0.254: USART3.3@355.727,185.039 355.727,161.341 356.376,160.692 360.502,160.692 369.875,151.32 v1(369.875,144.831) ; v1(418.027,147.428) 418.882,148.284 U1.52@418.882,151.168
  Bottom Layer w0.254: v1(369.875,144.831) 404.914,144.831 407.752,147.669 417.785,147.669 v1(418.027,147.428)
USART3_TX: U1.51 USART3.4 | length 99.8
  Top Layer w0.254: USART3.4@354.477,185.039 354.477,174.035 352.781,172.339 352.781,162.814 355.473,160.122 360.172,160.122 364.896,155.397 v1(364.896,148.895) ; v1(417.468,148.895) 418.382,149.809 U1.51@418.382,151.168
  Bottom Layer w0.254: v1(364.896,148.895) v1(417.468,148.895)
USB_D+_1: R18.2 USB1.A6 | length 10.2
  Top Layer w0.254: USB1.A6@430.147,181.816 430.147,179.222 430.768,178.602 432.449,178.602 432.587,178.463 432.587,175.768 432.435,175.616 431.902,175.616 R18.2@430.911,174.625
USB_D+_2: R24.2 USB1.B6 | length 30.5
  Top Layer w0.254: v1(428.574,170.891) 432.384,170.891 435.635,174.142 435.635,184.506 435.077,185.064 430.378,185.064 429.897,184.584 USB1.B6@429.897,183.116 ; v1(428.574,172.415) 428.574,173.827 R24.2@429.387,174.64
  Bottom Layer w0.254: v1(428.574,170.891) v1(428.574,172.415)
USB_D-_1: R17.2 USB1.A7 | length 12.2
  Top Layer w0.254: R17.2@427.863,174.64 428.839,175.616 429.768,175.616 429.92,175.768 429.92,177.419 429.717,177.622 428.346,177.622 427.584,178.384 427.584,180.848 427.736,181 429.495,181 429.647,181.153 USB1.A7@429.647,181.816
USB_D-_2: R23.2 USB1.B7 | length 16.5
  Top Layer w0.254: USB1.B7@430.397,183.116 430.397,184.099 430.804,184.506 434.442,184.506 435.178,183.769 435.178,177.383 R23.2@432.435,174.64
USB_OTG_FS_DM: R17.1 R23.1 U1.44 | length 43.5
  Top Layer w0.254: v1(413.258,171.018) 416.509,174.269 426.934,174.269 R17.1@427.863,173.34 427.863,171.789 430.577,171.482 R23.1@432.435,173.34 ; U1.44@415.582,154.968 417.296,154.968 417.957,155.629 417.957,157.632 418.262,157.937 v1(418.262,159.842)
  Bottom Layer w0.254: v1(413.258,171.018) 413.258,164.846 v1(418.262,159.842)
USB_OTG_FS_DM_D+: R18.1 R24.1 U1.45 | length 38.3
  Top Layer w0.254: U1.45@415.582,154.468 417.784,154.468 418.871,155.556 v1(418.871,157.674) ; v1(429.463,172.568) 429.387,172.644 R24.1@429.387,173.34 430.124,173.34 430.139,173.325 R18.1@430.911,173.325
  Bottom Layer w0.254: v1(418.871,157.674) 420.527,156.018 421.448,156.018 421.894,156.464 421.894,156.87 420.22,158.545 420.22,159.309 420.423,159.512 422.598,159.512 424.299,157.81 425.907,157.81 426.545,158.448 426.545,162.916 429.463,165.834 v1(429.463,172.568)
VCC: C5.1 U1.13 UART5.1 | length 48.4
  Top Layer w0.5: UART5.1@385.5,184.991 385.5,186.131 385.805,186.436 402.438,186.436 405.257,183.617 405.257,174.473 409.499,170.231 414.731,170.231 C5.1@418.846,166.116
VCC3V3_BT: AT_Config.1 C1.1 C7.1 C11.2 C12.2 HC-1.12 JTAG_SW.4 OLED.7 Q1.1 Q2.1 Q3.1 R2.1 R4.2 R11.2 R13.2 R20.2 SRES.2 U1.1 U1.19 U1.32 U1.48 U1.64 U2.2 U2.4 | length 375.1
  Top Layer w0.5: v1(337.098,186.334) OLED.7@337.098,185.039 337.098,179.214 347.218,169.094 347.218,152.669 347.294,152.593 Q1.1@348.241,152.593 348.844,152.593 349.144,152.893 R11.2@349.758,152.893 350.596,152.055 350.596,147.523 350.317,147.244 350.205,147.244 R13.2@349.758,146.797 349.154,146.797 348.793,146.436 Q2.1@348.234,146.436 347.871,146.436 347.871,145.408 347.142,144.678 347.142,140.614 347.355,140.401 Q3.1@348.114,140.401 348.717,140.401 349.017,140.701 R20.2@349.631,140.701 ; 394.818,185.395 395.645,185.293 JTAG_SW.4@395.645,185.039 395.645,176.806 406.677,165.774 406.677,161.932 407.426,161.183 407.426,151.247 409.568,149.105 410.573,149.105 411.734,150.266 C7.1@411.734,150.749 411.574,150.749 411.574,152.24 C1.1@411.734,152.4 ; v1(433.629,168.402) 433.466,168.239 R2.1@433.466,166.878 436.245,169.657 R4.2@437.515,169.657 436.423,168.565 436.423,160.26 442.341,154.341 U2.2@442.341,151.814 U2.4@442.341,145.874 443.916,145.874 445.809,147.767 C12.2@447.421,147.767 448.462,147.767 448.528,147.833 C11.2@449.58,147.833 454.584,147.833 456.788,145.629 462.483,145.629 463.278,146.424 SRES.2@463.278,147.737 SRES.2@463.278,147.752 ; SRES.2@463.278,152.237 SRES.2@463.278,147.752 ; HC-1.12@472.122,172.993 472.122,171.362 472.643,170.84 482.126,170.84 489.225,163.741 ; AT_Config.1@483.971,184.641 483.971,183.668 490.076,177.563 490.076,164.592 489.225,163.741 ; SRES.2@463.278,147.752 489.052,147.752 490.076,148.776 490.076,162.89 489.225,163.741
  Bottom Layer w0.5: v1(337.098,186.334) 370.084,186.334 370.923,185.496 394.919,185.496 ; 394.818,185.395 394.919,185.496 ; v1(433.629,168.402) 433.629,174.142 ; 394.919,185.496 414.096,185.496 423.824,175.768 ; 423.824,175.768 425.044,174.549 433.222,174.549 433.629,174.142 ; 423.824,175.768 433.629,175.362 433.629,174.142
pads on no net: 0. 1. 2. 3. 4. 5. 6. 7. 8. 9. '. ,. -. .. /. ;. =. [. \. ]. A. AT_Config.0 B. BACK. BACK.4 C. CAN1.0 CAPS. D. DEL. Designator116.0 Designator116.1 Designator116.3 Designator116.4 Designator117.0 Designator117.1 Designator117.3 Designator117.4 Designator118.0 Designator118.1 Designator118.3 Designator118.4 Designator119.0 Designator119.1 Designator119.3 Designator119.4 Designator120.0 Designator120.1 Designator120.3 Designator120.4 Designator121.0 Designator121.1 Designator121.3 Designator121.4 Designator122.0 Designator122.1 Designator122.3 Designator122.4 Designator123.0 Designator123.1 Designator123.3 Designator123.4 DOWN. E. END. ENTER. ENTER.4 ESC. F1. F2. F3. F4. F5. F6. F7. F8. F9. F10. F11. F12. F. FN. G. H. HC-1.3 HC-1.4 HC-1.5 HC-1.6 HC-1.7 HC-1.8 HC-1.9 HC-1.10 HC-1.11 HC-1.14 HC-1.15 HC-1.16 HC-1.17 HC-1.18 HC-1.19 HC-1.20 HC-1.23 HC-1.25 HC-1.27 HC-1.28 HC-1.29 HC-1.30 HC-1.31 HC-1.32 HC-1.33 HC-1.34 HOME. I. INPUT?.0 INS. J1.5 J. JTAG_SW.0 K. L. LALT. LCTRL. LIFT. LSHIFT. M. MENU. N0. N1. N2. N3. N4. N5. N6. N7. N8. N9. N*. N-. N. N/. NDOT. NDOT.4 NENTER. NPLUS. NUMLOCK. O. OLED.0 P. PAUSE. PGDN. PGUP. PRTSC. Q. R. RALT. RCTRL. RIGHT. RSHIFT. S. SCRLK. SPACE. SUPER. T. TAB. U1.50 U1.55 U. UART5.0 UP. USART1.0 USART3.0 USB1. USB1.1 USB1.2 USB1.3 USB1.4 USB1.A2 USB1.A3 USB1.A4 USB1.A8 USB1.A9 USB1.A10 USB1.A11 USB1.B2 USB1.B3 USB1.B4 USB1.B8 USB1.B9 USB1.B10 USB1.B11 V. W. X. Y. Z. ~.
copper on no net: | length 1185.7
  Top Layer w0.254: 52.959,40.64 52.959,40.894 52.959,189.992 496.443,189.992 496.443,40.894 496.443,40.64 53.213,40.64 52.959,40.64

## Polygon pours and split planes (outlines as drawn)
GND_BT on Bottom Layer "GND_BT_L02_P000" (solid, pour order 0): 52.959,189.992 496.443,189.992 496.443,40.64 52.959,40.64
GND_BT on Top Layer "GND_BT_L01_P001" (solid, pour order 1): 52.959,189.992 496.443,189.992 496.443,40.64 52.959,40.64

## Silkscreen, mask and mechanical layers (free items; w line width, h text height)
Top Overlay:
  drawing of 2591 lines, arcs and shapes, not listed
  text "https://www.emtips.net/" at 372.11,92.71 h1.52
Mechanical 1:
  drawing of 2404 lines, arcs and shapes, not listed

## Text inside footprints (layer, text, board x,y; h text height)
INPUT?: Top Overlay "+" at 321.436,177.579 h1.27 r180